# Altium PCB SDR_CAMERA.PcbDoc (part 2 of 3)
Units mil, origin at the board's own origin, x right, y up, seen from the top; angles counter-clockwise.
Board outline 4374.02 x 2769.29 mil, 10 copper layers (L1-TOP(Sign), L2(GND), L3(PWR), L4(GND), L5(Sign), L6(Sign), L7(GND), L8(PWR), L9(GND), L10-BOT(Sign)), stack 60 mil thick; 352 components, 289 nets, 1442 pads, 92 vias.
Unrouted connection lines stored in the file: 944.
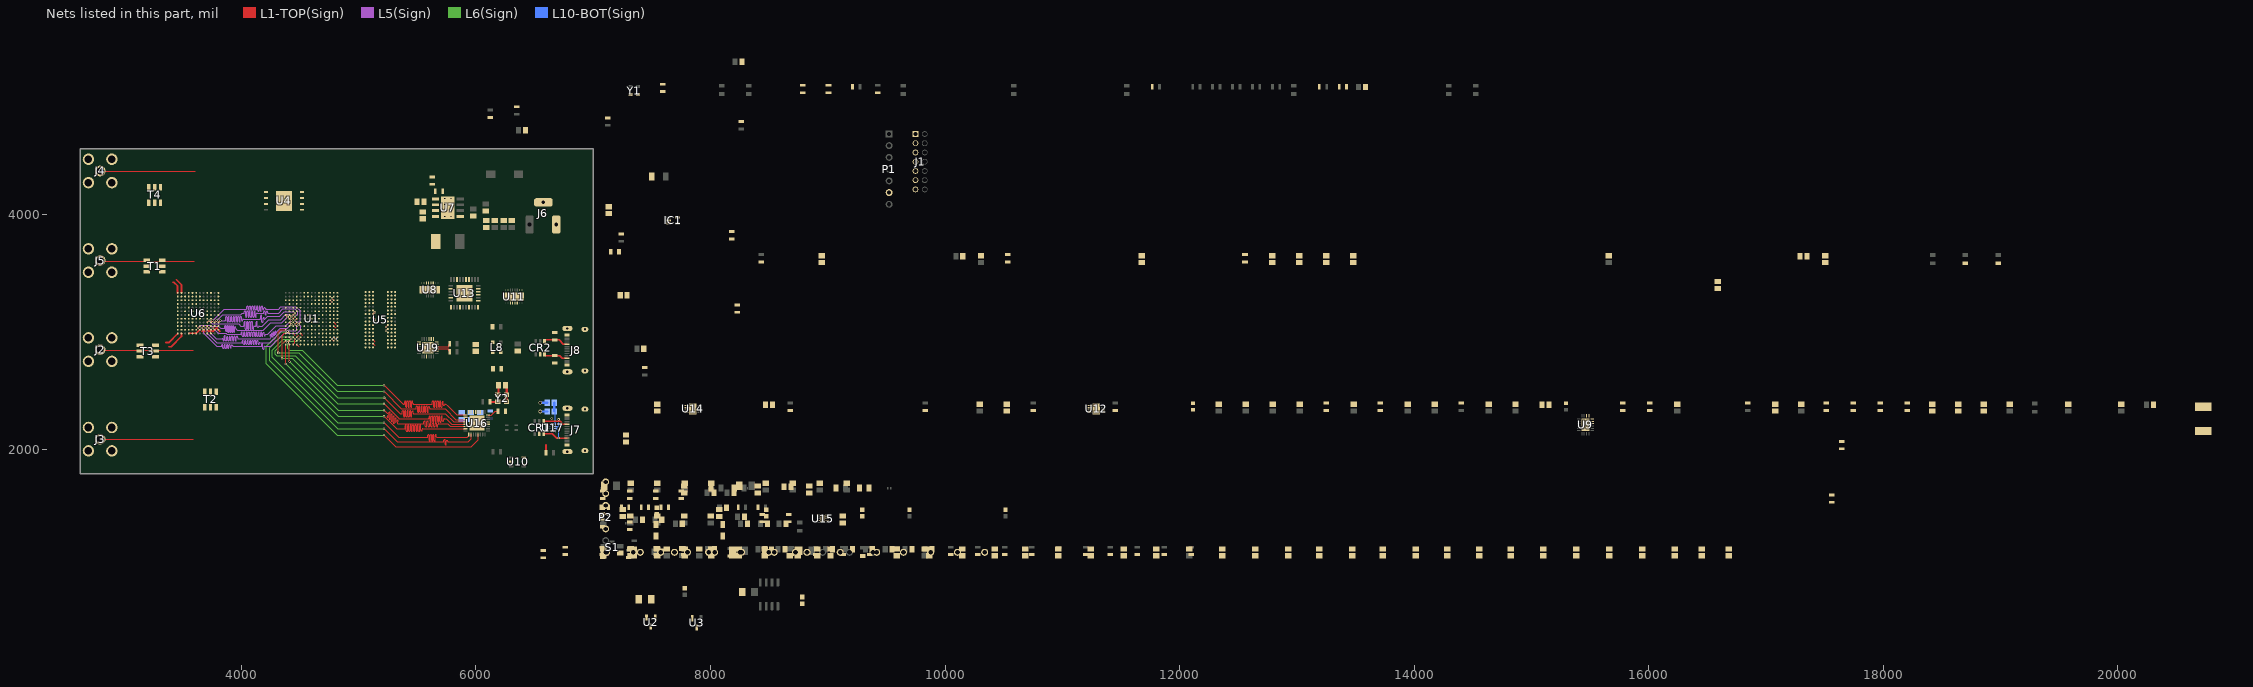
[diagram p10: the nets of this part, all layers, seen from the top]

## Part data
C1 C2 C3 C5 C6 C7 C8 C10 C11 C12 C13 C14 C15 C16 C17 C19 C20 C21 C22 C23 C24 C25 C27 C28 C29 C30 C32 C33 C34 C35 C36 C37 C38 C39 C40 C41 C42 C44 C45 C46 C47 C48 C51 C52 C53 C56 C57 C58 C59 C65 C72 C73 C74 C75 C76 C77 C78 C79 C80 C81 C82 C83 C84 C85 C87 C88 C89 C90 C92 C93 C95 C96 C97 C98 C99 C100 C102 C104 C105 C106 C107 C109 C110 C117 C119 C120 C126 C127 C128 C129 C131 C132 C133 C134 C135 C136 C137 C138 C139 C140 C141 C142 C143 C144 C145 C146 C147 C148 C149 C150 C151 C152 C153 C154 C155 C156 C157 C158 C159 C160 C161 C162 C163: "Polarized Capacitor (Surface Mount)", LatestRevisionDate=29-May-2009, LatestRevisionNote="IPC-7351 Footprint Added.", PackageDescription="Chip Capacitor", PackageReference=C0805, Published=8-Jun-2000, Publisher="Altium Limited"
C4 C9 C18 C26 C31 C43: "100 ÂµF Â±20% 10V Ceramic Capacitor X5R 1206 (3216 Metric)", Package="3216 TDK", Check_prices=https://www.snapeda.com/parts/C3216X5R1A107M160AC/TDK/view-part/?ref=eda, Digi-Key_Part_Number=445-6007-1-ND, MF=TDK, MP=C3216X5R1A107M160AC, Purchase-URL=https://pricing.snapeda.com/search/part/C3216X5R1A107M160AC/?ref=eda, SnapEDA_Link=https://www.snapeda.com/parts/C3216X5R1A107M160AC/TDK/view-part/?ref=snap
C49 C50 C54 C55 C60 C61 C62 C63: "No Description Available", Mfr_Name=Kemet, RefDes=18pF/50V
C64 C66 C67 C68 C69 C70 C71 C86 C91 C94 C101 C103 C108 C112 C113 C114 C115 C116 C118 C121 C122 C123 C124 C125: library part "Cap Pol3", "Polarized Capacitor (Surface Mount)", LatestRevisionDate=29-May-2009, LatestRevisionNote="IPC-7351 Footprint Added.", PackageDescription="Chip Capacitor", PackageReference=C0805, Published=8-Jun-2000, Publisher="Altium Limited"
C111 C130: library part "Cap Semi", "Capacitor (Semiconductor SIM Model)", LatestRevisionDate=29-May-2009, LatestRevisionNote="IPC-7351 Footprint Added.", PackageDescription="Chip Capacitor", PackageReference=C1206, Published=8-Jun-2000, Publisher="Altium Limited"
CR1 CR2: "No Description Available", Mfr_Name="Littelfuse Inc", RefDes=RefDes, Type=Type
D1 D2 J1 J2 J3 J4 J5 J7 J8 L1 L2 L3 L4 U5 U19 Y1: Package=None, Price=None
  D1 D2: Availability=Unavailable, MP=LTST-S220TBKT
  J1: Availability=Unavailable, MP=MTMM-107-03-G-D-190
  J2 J3 J4 J5: Availability=Unavailable, MF="{'manufacturer': u'GCT (Gradconn)'}", MP=RFPC-SMA27-F
  J7 J8: Availability=Unavailable, MP=UJ20-C-H-G-SMT-P16-TR-67
  L1 L2 L3 L4: Availability="In Stock", Check_prices=https://www.snapeda.com/parts/B82498F3331J001/TDK/view-part/?ref=eda, MF=TDK, MP=B82498F3331J001, Purchase-URL=https://pricing.snapeda.com/search/part/B82498F3331J001/?ref=eda, SnapEDA_Link=https://www.snapeda.com/parts/B82498F3331J001/TDK/view-part/?ref=snap
  U5: Availability=Unavailable, MF="{'manufacturer': u'Micron Technology Inc.'}", MP=MT41K256M16TW-107:P
  U19: Availability=Unavailable, MP=CP2102N-A02-GQFN24R
  Y1: Availability=Unavailable, MP=ASDMB-33.000MHZ-LY-T
D3 D4 D5 D6: "TVS RF PLUTO"
F1: "No Description Available", Mfr_Name=Belfuse
IC1: "Buffer, Non-Inverting 1 Element 1 Bit per Element 3-State Output 5-TSSOP", Package=None, Check_prices=https://www.snapeda.com/parts/74LVC1G126GW,125/Nexperia/view-part/?ref=eda, MF="Nexperia USA Inc.", MP=74LVC1G126GW,125, SnapEDA_Link=https://www.snapeda.com/parts/74LVC1G126GW,125/Nexperia/view-part/?ref=snap
J6: "WR-DC DC Power Jack Connector, Male, Right Angled, 24V, 5A", Manufacturer="Wurth Elektronik", Operating Temperature Max=85°C, Operating Temperature Min=-40°C, Rated Current=5A, Working Voltage=24V, Category="DC Power Jack Connector", ComponentLink1Description="Website Link", ComponentLink1URL=https://www.we-online.com/redexpert/article/694108301002?ad, ComponentLink2Description="Datasheet Link", ComponentLink2URL=https://www.we-online.com/redexpert/spec/694108301002?ad, Gender=Male, Manufacturer Part Number=694108301002, Match Code=WR-DC, Mount="Through Hole", Opening Diameter=6.4mm, Orientation="Right Angled", Packaging=Bag, Plug Inner Diameter=2.55mm, Plug Outer Diameter=5.5mm
L5: "No Description Available", Mfr_Name="Bourns Electronics"
L6: library part 7447789004, "WE-PD SMT Power Inductor, size 7332R, 4.7uH, 2.9A, 39mOhm", Case/Size Code=7332R, DC Resistance=33mOhm, DC Resistance Max=39mOhm, Inductance=4.7uH, Manufacturer="Wurth Elektronik", Operating Temperature Max=125°C, Operating Temperature Min=-40°C, Rated Current=2.9A, Saturation Current=3.9A, Self Resonant Frequency=45MHz, Category="Power Inductors", ComponentLink1Description="Website Link", ComponentLink1URL=https://www.we-online.com/redexpert/article/7447789004?ad, ComponentLink2Description="Datasheet Link", ComponentLink2URL=https://www.we-online.com/redexpert/spec/7447789004?ad, Height=3.2mm, Length=7.3mm, Manufacturer Part Number=7447789004, Match Code=WE-PD, Mount="Surface Mount", Packaging="Tape and Reel", Type=Robust, Width=7.3mm
L7: "No Description Available", Mfr_Name=Murata
L8: "2 Line Common Mode Choke Surface Mount 800 Ohms @ 100MHz 2A DCR 56mOhm", Package="Horizontal-4 Murata", Digi-Key_Part_Number=490-9569-1-ND, DigiKey-Purchase-URL=https://snapeda.com/shop?store=DigiKey&id=4300902, MF=Murata, MP=DLW5BSM801TQ2L, SnapEDA_Link=https://www.snapeda.com/parts/DLW5BSM801TQ2L/Murata/view-part/4300902/?ref=snap
P1 P2: "Header, 7-Pin", LatestRevisionDate=17-Jul-2002, LatestRevisionNote="Re-released for DXP Platform.", Publisher="Altium Limited"
R1 R2 R3 R4 R5 R6 R7 R8 R9 R10 R11 R12 R13 R14 R15 R16 R17 R18 R19 R20 R21 R22 R23 R24 R25 R26 R27 R28 R29 R30 R31 R32 R33 R34 R35 R36 R37 R38 R39 R40 R41 R42 R43 R44 R45 R46 R47 R48 R49 R50 R51 R52 R53 R54 R55 R56 R57 R58 R59 R60 R61 R62 R63 R64 R65 R66 R67 R68 R69 R70 R71 R72 R73 R74 R75 R76 R77 R78 R79 R80 R81 R82 R83 R85 R86 R87 R88 R89 R90 R91 R92 R93: library part Res1_1, "Resistor", Manufacturer="Generic Components", Class I=Passive, Class II=Resistor, Published=8-Jun-2000, Publisher="Altium Limited", REF FARNELL 0603 SMD=612-595, REF FARNELL 1206 SMD 1K=912475, REF FARNELL 1206 SMD 10K=912591, REF FARNELL 1206 SMD 510R=4387065, Revision="July-2002: Re-released for DXP Platform."
R84: "1206 SMT PPTC", Package="1206 Bel Fuse", Availability=Unavailable, MF="Bel Fuse", MP=0ZCJ0050AF2E, Price=None, SnapEDA_Link=https://www.snapeda.com/parts/0ZCJ0050AF2E/Bel%20Fuse%20Inc./view-part/1301170/?ref=snap
S1: "Tactile Switch SPST-NO Side Actuated Surface Mount, Right Angle", Package=None, Availability=Unavailable, MF=C&K, MP="PTS840 GM SMTR LFS", Price=None, SnapEDA_Link=https://www.snapeda.com/parts/PTS840%20GM%20SMTR%20LFS/C&K/view-part/628485/?ref=snap
T1 T2 T3 T4: "No Description Available", Mfr_Name="Mini Circuits", RefDes=RefDes, Type=Type
TP1 TP2 TP3 TP4 TP5 TP6 TP7 TP8 TP9 TP10 TP11 TP12 TP13 TP14 TP15 TP16 TP17 TP18 TP19 TP20 TP21 TP22 TP23 TP24: "Test Point Miniature THM H .300 Nylon 46 Insulated Red PhosBronze/Silver", Package="Test Point Keystone Electronics", Check_prices=https://www.snapeda.com/parts/5000/Keystone/view-part/?ref=eda, MF="Keystone Electronics", MP=5000, SnapEDA_Link=https://www.snapeda.com/parts/5000/Keystone/view-part/?ref=snap
U1: "Dual ARMÂ® CortexÂ®-A9 MPCoreâ„¢ with CoreSightâ„¢ System On Chip _SOC_ IC ZynqÂ®-7000 Artixâ„¢-7 FPGA, 28K Logic Cells 667MHz 225-CSPBGA _13x13_", Package="CSPBGA-225 Xilinx", Availability=Unavailable, MF="Xilinx Inc.", MP=XC7Z010-1CLG225I, Price=None, SnapEDA_Link=https://www.snapeda.com/parts/XC7Z010-1CLG225I/Xilinx%20Inc./view-part/1219501/?ref=snap
U2 U3: "No Description Available", Mfr_Name=onsemi, RefDes=RefDes, Type=Type
U4: "No Description Available", Mfr_Name=Micron, RefDes=RefDes, Type=Type
U6 U8 U11: "No Description Available", Mfr_Name="Analog Devices Inc", RefDes=RefDes
  U6: Type=RF
  U8 U11: Type="Power Management"
U7: "SIMPLE SWITCHER 3.8V to 36V, 3A Synchronous Buck Converter With Ultra-Low EMI 8-SO PowerPAD -40 to 125", Package="HSOIC-8 Texas Instruments", Availability=Warning, Check_prices=https://www.snapeda.com/parts/LMR33630CDDAR/Texas%20Instruments/view-part/2725482/?ref=eda, MF="Texas Instruments", MP=LMR33630CDDAR, Price=None, Purchase-URL=https://pricing.snapeda.com/search/part/LMR33630CDDAR/?ref=eda, SnapEDA_Link=https://www.snapeda.com/parts/LMR33630CDDAR/Texas%20Instruments/view-part/2725482/?ref=snap
U9: "No Description Available", Mfr_Name="Texas Instruments", RefDes=RefDes, Type="Power Management"
U10: "No Description Available", Mfr_Name="Diodes Inc", RefDes=RefDes, Type=Type
U12 U14: "6.5 V, 500 mA, Ultralow Noise, High PSRR, Fast Transient Response CMOS LDO", Package="LFCSP -8 Analog Devices", Check_prices=https://www.snapeda.com/parts/ADM7170ACPZ-1.3-R7/Analog+Devices/view-part/?ref=eda, MF="Analog Devices", MP=ADM7170ACPZ-1.3-R7, SnapEDA_Link=https://www.snapeda.com/parts/ADM7170ACPZ-1.3-R7/Analog+Devices/view-part/?ref=snap
U13: "No Description Available", Mfr_Name="Monolithic Power Systems", RefDes=RefDes, Type=Type
U15: "2A Peak Sink/Source DDR Termination Regulator with VTTREF Buffered Reference for DDR2/3/3L/4 10-WSON -40 to 105", Package="WSON-10 Texas Instruments", Availability=Good, DigiKey-Purchase-URL=https://snapeda.com/shop?store=DigiKey&id=449732, MF="Texas Instruments", Mouser-Purchase-URL=https://snapeda.com/shop?store=Mouser&id=449732, MP=TPS51206DSQR, Price=None, SnapEDA_Link=https://www.snapeda.com/parts/TPS51206DSQR/Texas%20Instruments/view-part/449732/?ref=snap, Texas_Instruments-Purchase-URL=https://snapeda.com/shop?store=Texas+Instruments&id=449732
U16: "Microchip USB3320C-EZK-TR, USB Transceiver, USB 2.0, 1.8 V, 3.3 V, 32-Pin QFN", Package="QFN-32 Microchip", Check_prices=https://www.snapeda.com/parts/USB3320C-EZK-TR/Microchip/view-part/?ref=eda, MF=Microchip, MP=USB3320C-EZK-TR, SnapEDA_Link=https://www.snapeda.com/parts/USB3320C-EZK-TR/Microchip/view-part/?ref=snap
U17: library part TUSB320IRWBR, "USB Type-C configuration channel logic and port control", Package="X2QFN-12 Texas Instruments", Check_prices=https://www.snapeda.com/parts/TUSB320IRWBR/Texas+Instruments/view-part/?ref=eda, MF="Texas Instruments", MP=TUSB320IRWBR, SnapEDA_Link=https://www.snapeda.com/parts/TUSB320IRWBR/Texas+Instruments/view-part/?ref=snap
U18: "1/1 Transceiver Half CANbus 8-SO", Package="SO-8 NXP Semiconductors", Availability="In Stock", Check_prices=https://www.snapeda.com/parts/TJA1050T/CM,118/NXP%20USA%20Inc./view-part/304529/?ref=eda, MF="NXP USA", MP=TJA1050T/CM,118, Price=None, Purchase-URL=https://pricing.snapeda.com/search/part/TJA1050T/CM,118/?ref=eda, SnapEDA_Link=https://www.snapeda.com/parts/TJA1050T/CM,118/NXP%20USA%20Inc./view-part/304529/?ref=snap
Y2: "Oscillator MEMS 24MHz Â±20ppm (Stability) 15pF HCMOS/LVCMOS 55% 1.8V 4-Pin PQFN SMD T/R", Package=None, Check_prices=https://www.snapeda.com/parts/SIT1602BI-11-18E-24.000000G/SiTime/view-part/?ref=eda, MF=SiTime, MP=SIT1602BI-11-18E-24.000000G, SnapEDA_Link=https://www.snapeda.com/parts/SIT1602BI-11-18E-24.000000G/SiTime/view-part/?ref=snap

## Via types
v1: diameter 19.68, hole 9.84, L1-TOP(Sign) to L10-BOT(Sign), tented both sides, 89 vias
v2: diameter 31.5, hole 19.68, L1-TOP(Sign) to L10-BOT(Sign), tented both sides, 3 vias

## Nets (pads, with @x,y where several pads share a name; then routed paths per layer and width w, separated by ;. In a path a pad name is that pad's centre, name@x,y a point inside that pad or via, vN(x,y) a via of type N, cw(c..) or ccw(c..) an arc to the next point about the centre after c; other vN are vias at no path point)
1.8V_PHY_VDD: C143.1 C144.1 C145.1 C146.1 C152.1 C162.1 FB13.1 IC1.5 R91.1 R92.2 U16.28 U16.30 U16.32 U19.5 Y2.1 Y2.4 | length 148.1
  L1-TOP(Sign) w19.68: C152.1@6251.34,2547.5 6263.15,2535.69 6263.15,2518.92 6263.81,2518.25 Y2.4@6263.81,2404.56
1.35V: C35.1 C36.1 C37.1 C38.1 C39.1 C40.1 C41.1 C42.1 C43.2 R55.1 U1.B3 U1.E4 U1.F1 U1.J2 U1.M3 U1.R4 U5.A1 U5.A8 U5.B2 U5.C1 U5.C9 U5.D2 U5.D9 U5.E9 U5.F1 U5.G7 U5.H2 U5.H9 U5.K2 U5.K8 U5.N1 U5.N9 U5.R1 U5.R9 U15.1
1P3_SUPPLY_A: C86.1 C87.1 C88.1 C89.1 C90.1 C92.1 C93.1 C95.1 C96.1 C97.1 C98.1 C99.1 C100.1 U12.1 U12.2 U12.3
1P3_SUPPLY_B: C103.1 C104.1 C105.1 C106.1 C107.1 C109.1 C110.1 C119.1 C120.1 C128.1 C129.1 C131.1 C132.1 C133.1 C134.1 U14.1 U14.2 U14.3
1P3_TX1A: C51.1 C52.1 C53.1 L1.1 L2.1 U6.M9 U6.M10
1P3_TX2A: C56.1 C57.1 C58.1 L3.1 L4.1 U6.A9 U6.A10
3.3V_PHY_VDD: FB14.1 R79.1
5V: C77.1 C102.1 C148.1 C150.1 C151.1 C155.1 C156.1 D1.A D2.A F1.2 R74.2 R75.2 U10.5 U15.10 U16.21 U17.12 U19.7 | length 187.1
  L10-BOT(Sign) w7.87: C151.1@6667.32,2322.83 6677.17,2312.99 U17.12@6677.17,2214.57
  L10-BOT(Sign) w19.68: C151.1@6667.32,2322.83 C150.1@6667.32,2397.64
AD9363_AUXADC: C59.1 TP24.TP U6.L5
AD9363_AUXDAC1: TP22.TP U6.B3
AD9363_AUXDAC2: TP23.TP U6.C3
AD9363_GPO_0: TP17.TP U6.B7
AD9363_GPO_1: TP18.TP U6.B6
AD9363_GPO_2: TP20.TP U6.B5
AD9363_GPO_3: TP21.TP U6.B4
CC1: CR1.3 J7.A5 U17.2 | length 317.2
  L1-TOP(Sign) w10.91: CR1.3@6576.37,2131.29 6652.18,2131.29 6687.02,2096.45 v1(6704.73,2096.45) ; v1@6704.72,2096.46 6706,2095.18 6708.78,2095.18 6710.06,2096.46 J7.A5@6776.38,2096.46
  L10-BOT(Sign) w7.87: U17.2@6679.13,2177.17 6696.85,2177.17 6704.73,2169.28 v1(6704.73,2096.45)
CC1-UART: CR2.3 J8.A5 R88.2 | length 211.4
  L1-TOP(Sign) w12: CR2.3@6584.24,2812.39 6584.24,2804.21 6589.24,2799.21 R88.2@6673.23,2799.21 6712.6,2799.21 6734.25,2777.56 J8.A5@6776.38,2777.56
CC2: CR1.4 J7.B5 U17.1 | length 310.6
  L1-TOP(Sign) w7.87: 6704.37,2238.79 6704.72,2239.14 v1(6704.72,2255.56)
  L1-TOP(Sign) w10.91: CR1.4@6576.37,2238.79 6704.37,2238.79 6717.9,2238.79 6742.13,2214.57 J7.B5@6776.38,2214.57
  L10-BOT(Sign) w7.87: U17.1@6679.13,2192.91 6696.85,2192.91 6704.72,2200.79 v1(6704.72,2255.56)
CC2-UART: CR2.4 J8.B5 R90.2 | length 217.6
  L1-TOP(Sign) w10.91: CR2.4@6584.24,2919.89 6584.24,2927.52 6589.79,2933.07 R90.2@6673.23,2933.07 6708.66,2933.07 6746.06,2895.67 J8.B5@6776.38,2895.67
CTRL_IN0: U1.F13 U6.C5
CTRL_IN1: U1.F14 U6.C6
CTRL_IN2: U1.G15 U6.D6
CTRL_IN3: U1.F15 U6.D5
D_UART_N: R86.2 U19.4 | length 132.8
  L1-TOP(Sign) w6.06: U19.4@5665.35,2876.23 5667.44,2874.14 5681.62,2874.14 5682.41,2873.36 5719.15,2873.36 5719.4,2873.11 5763.26,2873.11 5766.81,2876.66 5766.81,2892.8 R86.2@5775.59,2901.57
D_UART_P: R85.2 U19.3 | length 132.8
  L1-TOP(Sign) w6.06: U19.3@5665.35,2856.55 5667.44,2858.63 5681.62,2858.63 5682.41,2859.42 5713.38,2859.42 5713.63,2859.17 5763.26,2859.17 5766.81,2855.62 5766.81,2839.49 R85.2@5775.59,2830.71
DDR_A0: R27.1 U1.P1 U5.N3
DDR_A1: R29.1 U1.N1 U5.P7
DDR_A2: R31.1 U1.M1 U5.P3
DDR_A3: R33.1 U1.M4 U5.N2
DDR_A4: R35.1 U1.P3 U5.P8
DDR_A5: R37.1 U1.P4 U5.P2
DDR_A6: R39.1 U1.P5 U5.R8
DDR_A7: R42.1 U1.M5 U5.R2
DDR_A8: R44.1 U1.P6 U5.T8
DDR_A9: R46.1 U1.N4 U5.R3
DDR_A10: R48.1 U1.J1 U5.L7
DDR_A11: R50.1 U1.L2 U5.R7
DDR_A12: R28.1 U1.M2 U5.N7
DDR_A13: R30.1 U1.K2 U5.T3
DDR_A14: R32.1 U1.K1 U5.T7
DDR_BA0: R34.1 U1.M6 U5.M2
DDR_BA1: R36.1 U1.R1 U5.N8
DDR_BA2: R38.1 U1.N6 U5.M3
DDR_CASn: R45.1 U1.R5 U5.K3
DDR_CKE: R47.1 U1.L3 U5.K9
DDR_CLK_N: U1.N2 U5.K7 | length 44.5
  L1-TOP(Sign) w5.32: v1(4771.65,3287.4) U1.N2@4787.4,3271.65 ; U5.K7@5122.05,3153.54 v1(5137.8,3169.29)
DDR_CLK_P: U1.N3 U5.J7 | length 41.8
  L1-TOP(Sign) w5.32: U1.N3@4755.91,3271.65 v1(4771.65,3255.91) ; U5.J7@5122.05,3122.05 v1@5135.83,3108.27
  other v1: 5137.8,3106.3
DDR_CLKN: R52.2
DDR_CLKP: R52.1
DDR_CSn: R51.1 U1.R2 U5.L2
DDR_DQ0: U1.D4 U5.E3
DDR_DQ1: U1.A2 U5.F7
DDR_DQ2: U1.C4 U5.F2
DDR_DQ3: U1.C1 U5.F8
DDR_DQ4: U1.B4 U5.H3
DDR_DQ5: U1.A4 U5.H8
DDR_DQ6: U1.C3 U5.G2
DDR_DQ7: U1.A3 U5.H7
DDR_DQ8: U1.E1 U5.D7
DDR_DQ9: U1.D1 U5.C3
DDR_DQ10: U1.E2 U5.C8
DDR_DQ11: U1.E3 U5.C2
DDR_DQ12: U1.F3 U5.A7
DDR_DQ13: U1.G1 U5.A2
DDR_DQ14: U1.H1 U5.B8
DDR_DQ15: U1.H2 U5.A3
DDR_DQM0: U1.B1 U5.E7
DDR_DQM1: U1.D3 U5.D3
DDR_DQS0_N: U1.B2 U5.G3 | length 77.9
  L1-TOP(Sign) w5.32: v1(4771.65,2940.94) U1.B2@4787.4,2925.2 ; v1(5232.28,3043.31) U5.G3@5248.03,3059.06
  L10-BOT(Sign) w5.32: v1(4771.65,2940.94) 4795.28,2964.57
DDR_DQS0_P: U1.C2 U5.F3 | length 55.7
  L1-TOP(Sign) w5.32: U1.C2@4787.4,2956.69 v1@4799.21,2944.88 ; v1(5232.28,3011.81) U5.F3@5248.03,3027.56
  L10-BOT(Sign) w5.32: v1(4803.15,2940.94) 4814.96,2952.76
DDR_DQS1_N: U1.F2 U5.B7 | length 44.5
  L1-TOP(Sign) w5.32: U1.F2@4787.4,3051.18 4803.15,3035.43 ; U5.B7@5122.05,2901.57 5137.8,2885.83
DDR_DQS1_P: U1.G2 U5.C7 | length 44.5
  L1-TOP(Sign) w5.32: U1.G2@4787.4,3082.68 4803.15,3066.93 ; U5.C7@5122.05,2933.07 5137.8,2917.32
DDR_ODT: R49.1 U1.K3 U5.K1
DDR_RASn: R43.1 U1.R6 U5.J3
DDR_RESETn: R53.1 U1.L4 U5.T2
DDR_WEn: R40.1 U1.R3 U5.L3
DDR_ZQ0: R41.1 U5.L8
EN2: R65.2 R68.1 U8.6
EN/UVLO: R59.2 R60.1 U9.14
EN_DAT_USB: R71.2 R73.1 U11.6
EN_POW_USB: R70.2 R71.1 U11.3
EXT: R63.2 R65.1 U8.3
GND: C1.2 C2.2 C3.2 C4.1 C5.2 C6.2 C7.2 C8.2 C9.1 C12.2 C13.2 C14.2 C15.2 C16.2 C17.2 C18.1 C21.2 C22.2 C23.2 C24.2 C25.2 C26.1 C27.2 C28.2 C29.2 C30.2 C31.1 C32.2 C33.2 C34.2 C37.2 C44.2 C45.2 C46.2 C47.2 C48.2 C51.2 C52.2 C53.2 C56.2 C57.2 C58.2 C59.2 C64.2 C65.2 C66.2 C68.2 C69.2 C70.2 C71.2 C72.2 C73.1 C74.2 C75.2 C76.2 C77.2 C78.2 C79.2 C80.2 C81.2 C82.2 C83.2 C84.2 C85.2 C86.2 C87.2 C88.2 C89.2 C90.2 C91.2 C92.2 C93.2 C94.2 C95.2 C96.2 C97.2 C98.2 C99.2 C100.2 C101.2 C102.2 C103.2 C104.2 C105.2 C106.2 C107.2 C108.2 C109.2 C110.2 C111.2 C112.2 C113.2 C114.2 C115.2 C116.2 C117.2 C118.2 C119.2 C120.2 C121.2 C122.2 C123.2 C124.2 C125.2 C126.2 C127.2 C128.2 C129.2 C130.2 C131.2 C132.2 C133.2 C134.2 C135.2 C136.2 C137.2 C138.2 C139.2 C140.2 C141.2 C142.2 C143.2 C144.2 C145.2 C146.2 C147.2 C148.2 C149.2 C150.2 C151.2 C152.2 C153.2 C154.2 C155.2 C156.2 C157.2 C158.2 C159.2 C161.2 C162.2 C163.2 CR1.2 FB2.1 FB18.1 IC1.3 J1.01 J1.03 J1.05 J1.07 J1.09 J1.11 J1.13 J2.G1 J2.G2 J2.G3 J2.G4 J3.G1 J3.G2 J3.G3 J3.G4 J4.G1 J4.G2 J4.G3 J4.G4 J5.G1 J5.G2 J5.G3 J5.G4 J6.2 J6.3 J7.A1_B12 J7.A12_B1 J7.SH1 J7.SH2 J7.SH3 J7.SH4 L8.3 P1.6 P2.4 P2.5 P2.6 P2.7 R11.1 R12.1 R23.1 R24.1 R25.1 R26.1 R41.2 R53.2 R54.1 R56.1 R57.1 R61.2 R64.2 R66.2 R67.2 R68.2 R69.2 R72.2 R73.2 R77.2 R78.2 R87.1 R89.1 S1.3 S1.4 T1.1 T1.2 T1.5 T2.1 T2.2 T2.5 T3.1 T3.2 T3.5 T4.1 T4.2 T4.5 TP10.TP TP15.TP TP19.TP U1.A1 U1.A11 U1.B8 U1.C5 U1.C15 U1.D2 U1.D12 U1.E5 U1.E7 U1.E8 U1.E9 U1.F10 U1.G3 U1.G5 U1.G13 U1.H6 U1.H8 U1.H10 U1.J5 U1.J9 U1.K4 U1.K7 U1.K10 U1.K14 U1.L1 U1.L5 U1.L11 U1.M8 U1.N5 U1.N15 U1.P2 U1.P12 U1.R9 U2.2 U3.2 U4.4 U4.9 U5.A9 U5.B1 U5.B3 U5.B9 U5.D1 U5.D8 U5.E1 U5.E2 U5.E8 U5.F9 U5.G1 U5.G8 U5.G9 U5.J2 U5.J8 U5.M1 U5.M9 U5.P1 U5.P9 U5.T1 U5.T9 U6.A4 U6.A5 U6.A6 U6.A12 U6.B1 U6.B2 U6.B12 U6.C1 U6.C2 U6.C4 U6.C7 U6.C8 U6.C9 U6.C10 U6.C11 U6.C12 U6.D1 U6.D12 U6.E1 U6.F1 U6.F3 U6.F7 U6.F9 U6.F11 U6.G1 U6.G10 U6.G12 U6.H1 U6.H2 U6.H3 U6.H5 U6.H6 U6.H7 U6.H9 U6.H10 U6.J1 U6.J2 U6.K1 U6.K2 U6.K12 U6.L1 U6.L2 U6.L3 U6.L7 U6.L8 U6.L9 U6.L10 U6.L11 U6.L12 U6.M4 U6.M5 U6.M6 U7.1 U7.9 U8.17 U9.16 U9.21 U10.2 U11.17 U12.6 U12.9 U13.2 U13.5 U13.7 U13.10 U13.13 U13.16 U13.17 U13.20 U13.21 U13.27 U13.30 U13.33 U14.6 U14.9 U15.4 U15.8 U15.11 U16.33 U17.10 U17.11 U19.2 U19.25 Y1.2 Y2.2 | length 515.4
  L1-TOP(Sign) w11.81: U6.M4@3551.18,2988.19 U6.M5@3582.68,2988.19 U6.M6@3614.17,2988.19 U6.L7@3645.67,3019.68 ; 3661.42,3003.94 U6.L8@3677.17,3019.68 3692.91,3003.94 ; U6.L9@3708.66,3019.68 3724.41,3003.94 U6.L10@3740.16,3019.68 3755.91,3003.94 U6.L11@3771.65,3019.68 3787.4,3035.43 U6.L12@3803.15,3019.68 3818.9,3003.94
  L1-TOP(Sign) w19.68: Y2.2@6185.79,2464.81 6192.28,2471.3 C152.2@6192.28,2547.5
  L10-BOT(Sign) w19.68: v2(6547.24,2322.83) C151.2@6608.27,2322.83 ; v2(6547.24,2397.64) C150.2@6608.27,2397.64
  other v1: 6645.67,2263.78
IO_02_34_AD9361_CLKOUT: U1.P8
IO_02_34_AD9361_RST: U1.P9
IO_L01_34_FB_CLK: U1.P10
IO_L07_34_RX_FRAME: U1.N13
IO_L08_34_CTRL_OUT0: U1.L15
IO_L08_34_CTRL_OUT1: U6.E4
IO_L09_34_TX_FRAME: U6.G9
IO_L10_34_EN_AGC: U1.L13
IO_L11_34_ENABLE: U1.K12
IO_L11_34_TXNRX: U6.H4
IO_L12_MRCC_34_DATA_CLK: U1.L12
IO_L13_34_CTRL_OUT2: U1.N11
IO_L13_34_CTRL_OUT3: U1.N12
IO_L21_34_CTRL_OUT4: U6.F6
IO_L21_34_CTRL_OUT5: U6.F5
IO_L22_34_CTRL_OUT6: U1.N7
IO_L22_34_CTRL_OUT7: U6.G4
IO_L23_35_SPI_CLK: U1.E11 U6.J5
IO_L23_35_SPI_ENB: U1.E12 U6.K6
IO_L24_35_SPI_DI: U1.E13 U6.J4
IO_L24_35_SPI_DO: U1.F12 U6.L6
LED_RX: U19.13
LED_TX: U19.14
NetC10_2: C10.2 C11.2 FB2.2 U1.F6 U1.F8 U1.G8 U1.H7 U1.J7
NetC19_2: C19.2 C20.2
NetC35_2: C35.2 C36.2 C38.2 C39.2 C40.2 C41.2 C43.1
NetC49_2: C49.2 T1.4
NetC50_1: C50.1 L1.2
NetC50_2: C50.2 T1.6
NetC54_2: C54.2 T2.4
NetC55_2: C55.2 T2.6
NetC60_2: C60.2 T3.4
NetC61_2: C61.2 T3.6
NetC62_2: C62.2 T4.4
NetC63_2: C63.2 T4.6
NetC66_1: C66.1 U7.6
NetC67_1: C67.1 U7.7
NetC67_2: C67.2 L5.2 U7.8
NetC68_1: C68.1 R58.1
NetC73_2: C73.2 U9.18
NetC94_1: C94.1 U12.4
NetC118_1: C118.1 U14.4
NetC130_1: C130.1 R76.2 R77.1 U13.19
NetC137_1: C137.1 C138.1 C139.1 C140.1 C141.1 C142.1 FB12.1
NetC147_1: C147.1 U16.20
NetC153_1: C153.1 C154.1 R82.2 U19.6
NetC157_1: C157.1 R82.1 U19.9
NetC161_1: C161.1 FB17.1 R84.1
NetC163_1: C163.1 FB16.1 FB17.2 L8.2
NetD1_C: D1.C R1.2
NetD2_C: D2.C R20.2
NetF1_1: F1.1 U8.9 U8.10 U8.15 U8.16
NetIC1_2: IC1.2 R91.2 U19.21
NetIC1_4: IC1.4 R92.1 R93.2
NetJ2_1: J2.1 T1.3 | length 795.3
  L1-TOP(Sign) w5.91: J2.1@2795.28,2846.46 3590.55,2846.46
NetJ3_1: J3.1 T2.3 | length 795.3
  L1-TOP(Sign) w5.91: J3.1@2795.28,2086.61 3590.55,2086.61
NetJ4_1: J4.1 T3.3 | length 1590.6
  L1-TOP(Sign) w5.91: 2803.15,3602.36 3598.43,3602.36 ; J4.1@2811.02,4370.08 3606.3,4370.08
NetJ5_1: J5.1 T4.3
NetR1_1: R1.1 U2.3
NetR2_1: R2.1 U1.D5
NetR8_1: R8.1 U1.K6
NetR9_1: R9.1 R11.2 R12.2 U1.G7
NetR10_1: R10.1
NetR13_2: R13.2 U1.C9
NetR16_1: R16.1 R17.1
NetR20_1: R20.1 U3.3
NetR54_2: R54.2 U1.H3
NetR55_2: R55.2 U1.J3
NetR56_2: R56.2 U6.L4
NetR57_2: R57.2 R58.2 U7.5
NetR61_1: R61.1 U8.4
NetR66_1: R66.1 U9.17
NetR67_1: R67.1 U8.5